# Altium PCB EPS.PcbDoc (part 2 of 11)
Units mm, origin at the board's own origin, x right, y up, seen from the top; angles counter-clockwise.
Board outline 90.25 x 93.64 mm, 8 copper layers (Top Layer, PGND, Power, Control Signals 1, Control Signals 2, Signal 1, Signal 2, Bottom Layer), stack 1.637 mm thick; 941 components, 557 nets, 2694 pads, 869 vias.
Unrouted connection lines stored in the file: 2.
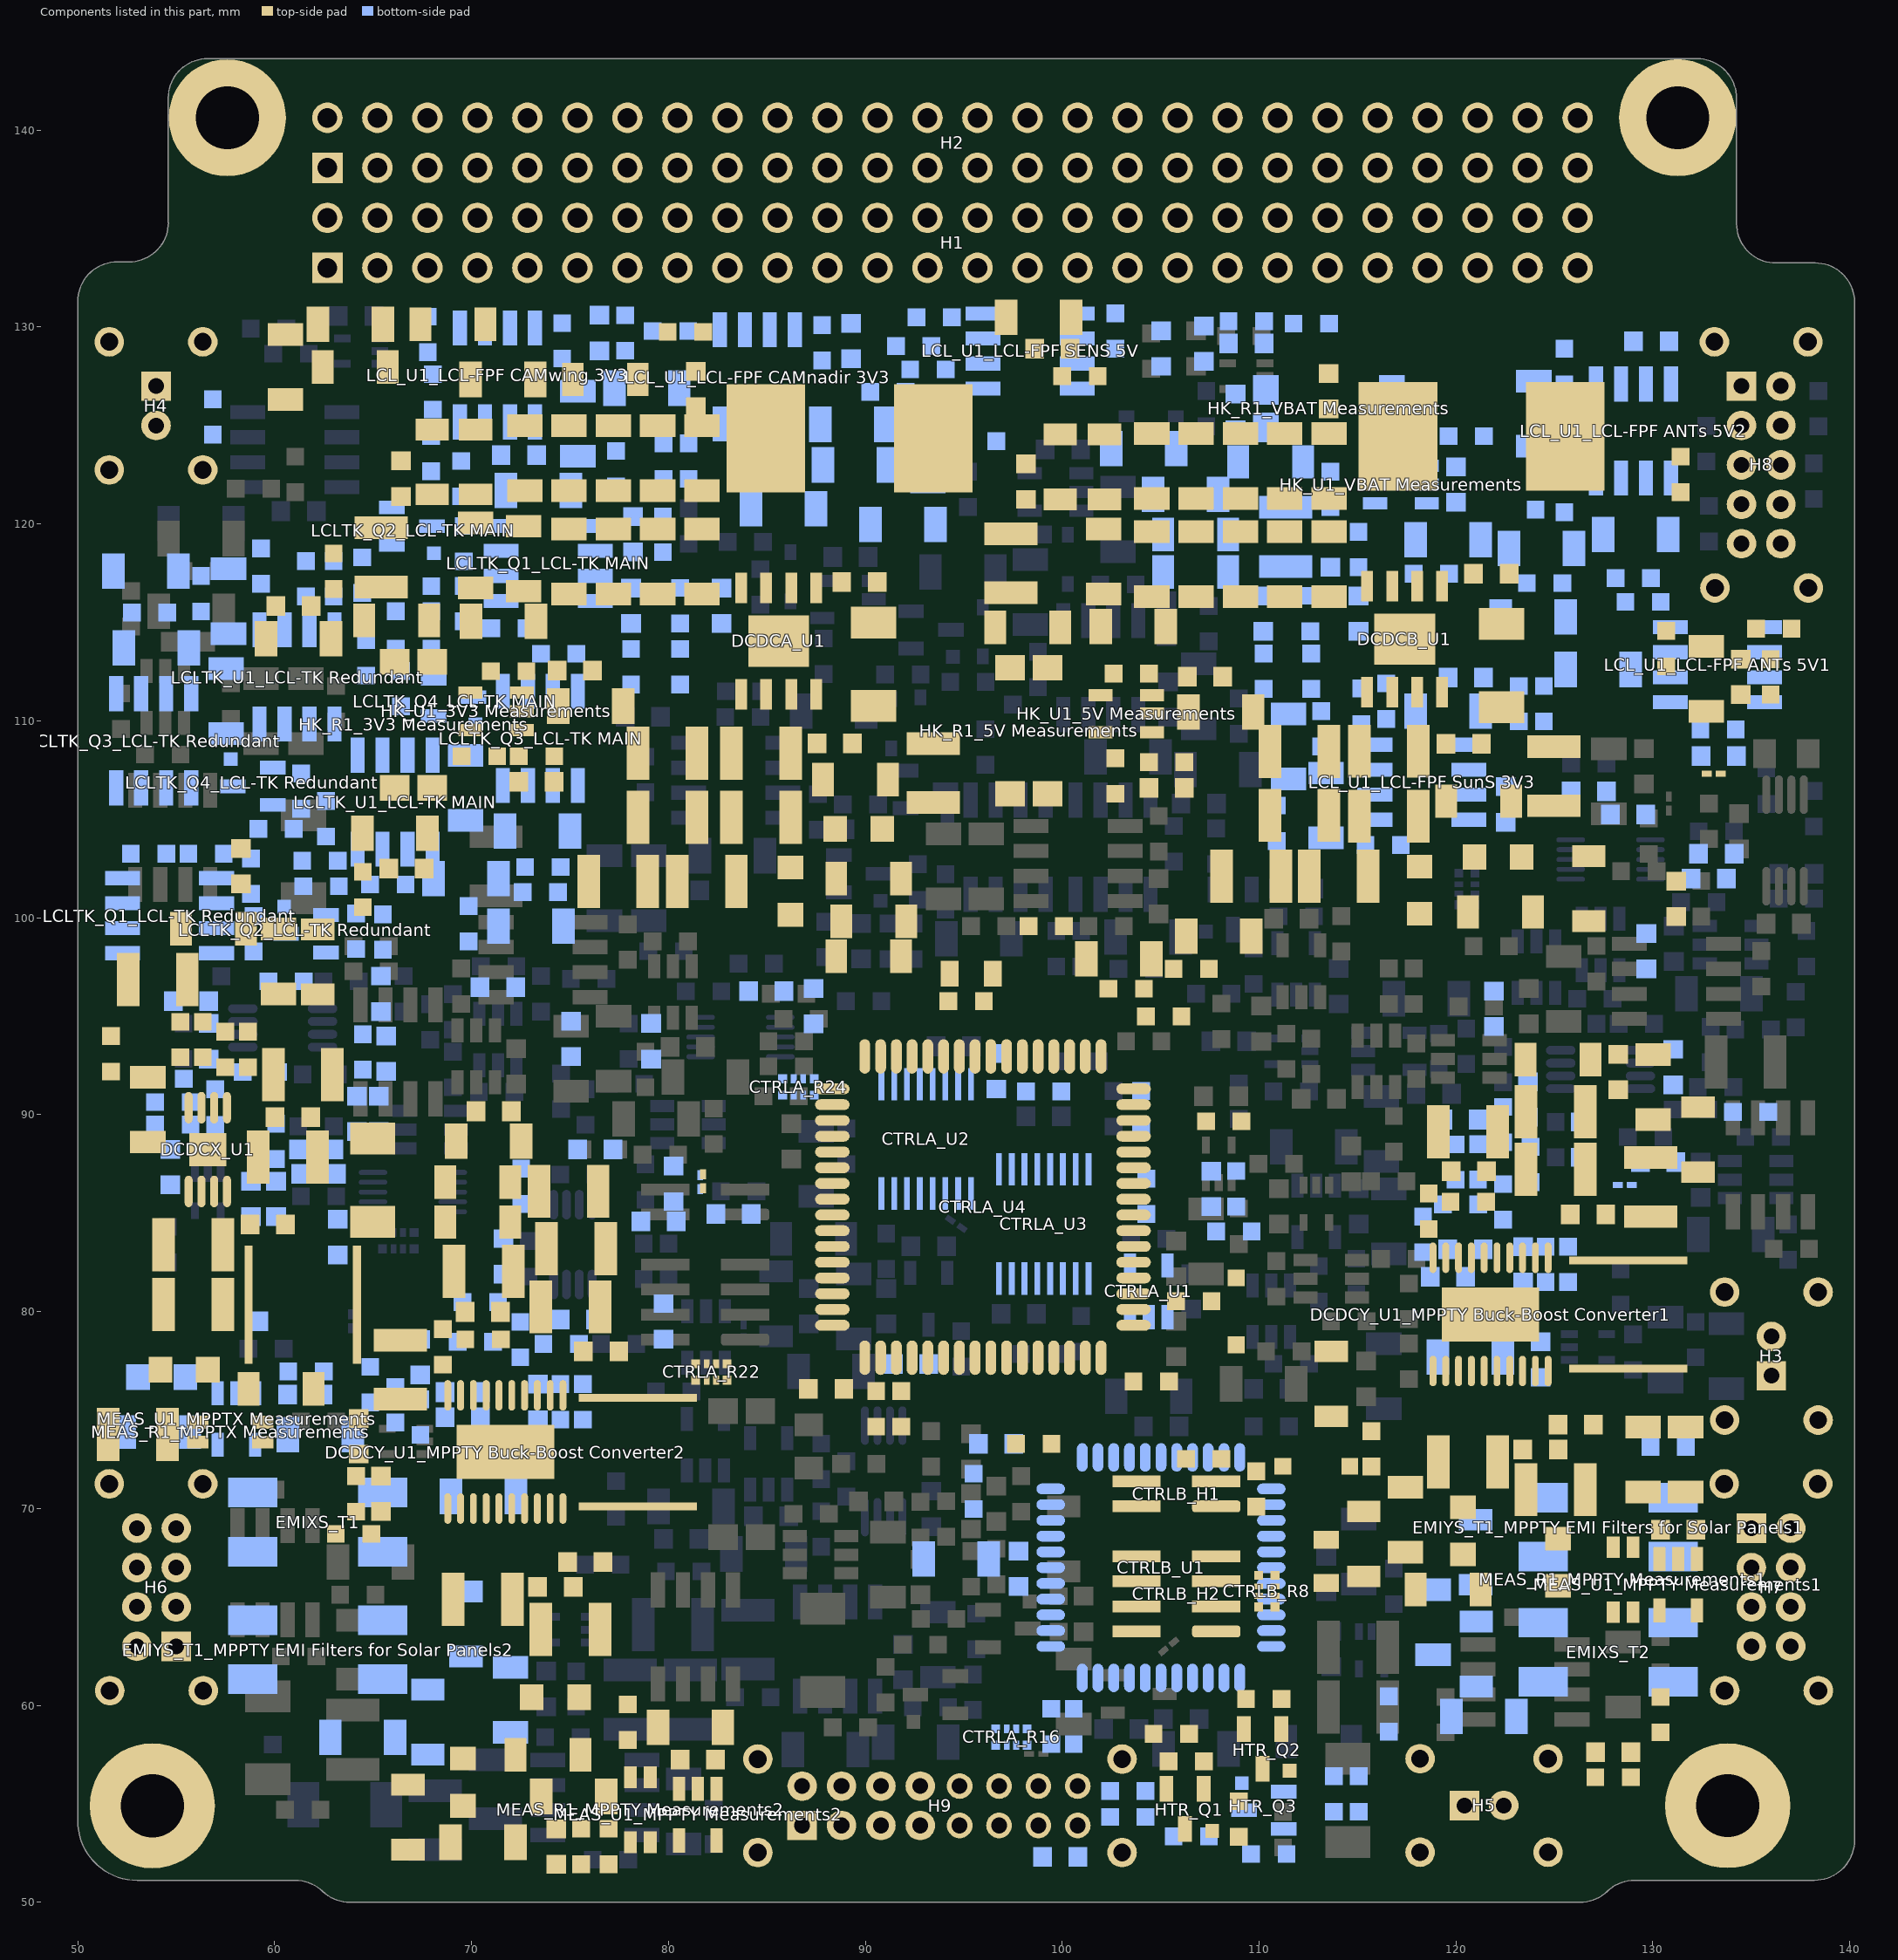
[diagram p8: the components of this part, seen from the top]

## Components (designator, comment, footprint, x,y, rotation, side; value= is the part's Value field where it differs from the comment) (continued)
CTRLA_R15 "10k/1%" SMD_Resistor_0603 99.06,91.186 r0 bottom
CTRLA_R16 "4x51R" SMD_RESISTOR_ARRAY_YC124 98.222,58.801 r180 bottom
CTRLA_R17 "33R" SMD_Resistor_0603 104.267,85.852 r90 bottom
CTRLA_R18 "220R/1%" SMD_Resistor_0603 91.821,75.057 r270 top
CTRLA_R19 "220R/1%" SMD_Resistor_0603 90.551,75.057 r270 top
CTRLA_R20 "330k" SMD_Resistor_0603 95.123,95.758 r180 top
CTRLA_R21 "100R/1%" SMD_Resistor_0603 108.204,89.662 r0 top
CTRLA_R22 "4x10k" SMD_RESISTOR_ARRAY_YC124 81.382,77.343 r0 top
CTRLA_R23 "4.7k/1%" SMD_Resistor_0603 106.68,80.518 r0 top
CTRLA_R24 "4x51R" SMD_RESISTOR_ARRAY_YC124 85.801,90.995 r0 bottom
CTRLA_R25 "33R" SMD_Resistor_0603 104.013,90.297 r90 bottom
CTRLA_U1 "NC7SZ14" SOT23-5 104.394,81.026 r90 bottom
CTRLA_U2 "ADG709" TSSOP16 93.091,88.773 r180 bottom
CTRLA_U3 "ADG709" TSSOP16 99.06,84.455 r0 bottom
CTRLA_U4 "revD, Jun-2011" 64A_N 95.974,85.306 r90 top value=ATmega325PA-AU
CTRLB_C1 "100n/50V" SMD_Capacitor_0603 107.569,86.233 r90 bottom
CTRLB_C2 "10n/50V" SMD_Capacitor_0603 96.647,73.279 r180 bottom
CTRLB_C3 "100n/50V" SMD_Capacitor_0603 97.79,66.929 r90 bottom
CTRLB_C4 "2.2u/50V" SMD_Capacitor_1206 94.615,67.437 r180 bottom
CTRLB_C5 "100n/50V" SMD_Capacitor_0603 99.898,52.299 r180 bottom
CTRLB_H1 "CTRLB_UART" Connfly_DS1031-04-2 107.823,70.105 r90 top locked
CTRLB_H2 "CTRLB_JTAG" Connfly_DS1031-08-2 107.823,63.755 r90 top locked
CTRLB_J1 "2 way net tie junction" 2way_LP 133.096,107.315 r0 top net-tie
CTRLB_R1 "330k" SMD_Resistor_0603 99.441,58.928 r90 bottom
CTRLB_R2 "330k" SMD_Resistor_0603 100.584,58.928 r90 bottom
CTRLB_R3 "10k/1%" SMD_Resistor_0603 108.723,84.074 r180 bottom
CTRLB_R4 "10k/1%" SMD_Resistor_0603 108.839,86.233 r270 bottom
CTRLB_R5 "220R/1%" SMD_Resistor_0603 107.188,72.517 r180 top
CTRLB_R6 "220R/1%" SMD_Resistor_0603 109.855,70.993 r90 top
CTRLB_R7 "4.7k/1%" SMD_Resistor_0603 95.504,70.866 r270 bottom
CTRLB_R8 "4x10k" SMD_RESISTOR_ARRAY_YC124 109.982,65 r90 top
CTRLB_R9 "10k/1%" SMD_Resistor_0603 103.327,54.331 r0 bottom
CTRLB_R10 "100R/1%" SMD_Resistor_0603 116.586,59.563 r270 bottom
CTRLB_R11 "1k/1%" SMD_Resistor_0603 103.327,55.651 r0 bottom
CTRLB_U1 "ATMEGA164PV-10AQ" TQFP-44 105.022,67.002 r270 bottom
DCDCA_C1 "10u/16V" SMD_Capacitor_1206 74.95,118.1 r90 top
DCDCA_C2 "10u/16V" SMD_Capacitor_1206 72.644,118.237 r90 top
DCDCA_C3 "100n/50V" SMD_Capacitor_0603 88.45,108.85 r0 top
DCDCA_C4 "100n/50V" SMD_Capacitor_0603 81.4,126.85 r90 top
DCDCA_C5 "10u/16V" SMD_Capacitor_1206 74.95,123.35 r90 top
DCDCA_C6 "10u/16V" SMD_Capacitor_1206 72.7,123.35 r90 top
DCDCA_C7 "10u/25V" SMD_Capacitor_1210 84.7,105.1 r180 top
DCDCA_C8 "10u/25V" SMD_Capacitor_1210 84.7,108.35 r180 top
DCDCA_C9 "Cap" SMD_Capacitor_0603 89.7,117.05 r180 top value=10n/50V
DCDCA_C10 "10u/16V" SMD_Capacitor_1206 81.7,123.35 r270 top
DCDCA_C11 "10u/16V" SMD_Capacitor_1206 79.45,123.35 r270 top
DCDCA_C12 "10u/16V" SMD_Capacitor_1206 77.2,123.35 r270 top
DCDCA_C13 "10u/25V" SMD_Capacitor_1210 79.95,105.1 r180 top
DCDCA_C14 "10u/25V" SMD_Capacitor_1210 79.95,108.35 r180 top
DCDCA_C15 "10u/16V" SMD_Capacitor_1206 81.7,118.1 r270 top
DCDCA_C16 "10u/16V" SMD_Capacitor_1206 79.45,118.1 r270 top
DCDCA_C17 "10u/16V" SMD_Capacitor_1206 77.2,118.1 r270 top
DCDCA_C18 "Cap" SMD_Capacitor_0603 78.194,119.48 r270 bottom value=1n/50V
DCDCA_C19 "150n/50V" SMD_Capacitor_0603 78.1,115.85 r270 bottom
DCDCA_C20 "Cap" SMD_Capacitor_0603 82.7,115.85 r270 bottom value=100p/50V
DCDCA_D1 "STPS340U" DO-214AA 90.4,112.85 r90 top
DCDCA_L1 "27uH/2.1A" Coilcraft_MSS1260 89.2,124.35 r90 top
DCDCA_R1 "10R" SMD_Resistor_0603 77.343,122.809 r90 bottom
DCDCA_R2 "10k/1%" SMD_Resistor_0603 79.718,119.469 r90 bottom
DCDCA_R3 "4.7k/1%" SMD_Resistor_0603 80.6,115.85 r90 bottom
DCDCA_R4 "1k/1%" SMD_Resistor_0603 80.6,112.75 r90 bottom
DCDCA_R5 "240R/1%" SMD_Resistor_0603 78.1,112.75 r90 bottom
DCDCA_U1 "TPS5430DDA" DDA-9 85.6,114.05 r270 top
DCDCB_C1 "10u/16V" SMD_Capacitor_1206 113.55,117.95 r90 top
DCDCB_C2 "10u/16V" SMD_Capacitor_1206 111.3,117.95 r90 top
DCDCB_C3 "100n/50V" SMD_Capacitor_0603 120.396,108.839 r0 top
DCDCB_C4 "100n/50V" SMD_Capacitor_0603 113.538,126.746 r90 top
DCDCB_C5 "10u/16V" SMD_Capacitor_1206 113.55,122.95 r90 top
DCDCB_C6 "10u/16V" SMD_Capacitor_1206 111.3,122.95 r90 top
DCDCB_C7 "10u/25V" SMD_Capacitor_1210 116.586,105.156 r180 top
DCDCB_C8 "10u/25V" SMD_Capacitor_1210 116.586,108.458 r180 top
DCDCB_C9 "Cap" SMD_Capacitor_0603 121.793,117.475 r180 top value=10n/50V
DCDCB_C10 "10u/16V" SMD_Capacitor_1206 104.55,122.95 r270 top
DCDCB_C11 "10u/16V" SMD_Capacitor_1206 106.8,122.95 r270 top
DCDCB_C13 "10u/16V" SMD_Capacitor_1206 109.05,122.95 r270 top
DCDCB_C14 "10u/25V" SMD_Capacitor_1210 112.05,105.2 r180 top
DCDCB_C15 "10u/25V" SMD_Capacitor_1210 112.05,108.45 r180 top
DCDCB_C16 "10u/16V" SMD_Capacitor_1206 104.55,117.95 r270 top
DCDCB_C17 "10u/16V" SMD_Capacitor_1206 106.8,117.95 r270 top
DCDCB_C18 "10u/16V" SMD_Capacitor_1206 109.05,117.95 r270 top
DCDCB_C19 "Cap" SMD_Capacitor_0603 113.627,118.707 r270 bottom value=1n/50V
DCDCB_C20 "150n/50V" SMD_Capacitor_0603 110.2,115.45 r270 bottom
DCDCB_C21 "Cap" SMD_Capacitor_0603 115.05,115.45 r270 bottom value=100p/50V
DCDCB_D1 "STPS340U" DO-214AA 122.301,112.776 r90 top
DCDCB_L1 "27uH/2.1A" Coilcraft_MSS1260 121.3,124.45 r90 top
DCDCB_R1 "10R" SMD_Resistor_0603 113.627,121.755 r90 bottom
DCDCB_R2 "10k/1%" SMD_Resistor_0603 115.05,118.7 r90 bottom
DCDCB_R3 "2.2k/1%" SMD_Resistor_0603 112.6,115.45 r90 bottom
DCDCB_R4 "1k/1%" SMD_Resistor_0603 112.649,112.522 r90 bottom
DCDCB_R5 "240R/1%" SMD_Resistor_0603 110.236,112.522 r90 bottom
DCDCB_U1 "TPS5430DDA" DDA-9 117.395,114.15 r270 top
DCDCX_C1 "100n/50V" SMD_Capacitor_0603 59.652,84.417 r180 top
DCDCX_C2 "100n/50V" SMD_Capacitor_0603 60.922,89.878 r0 top
DCDCX_C3 "10u/25V" SMD_Capacitor_1210 55.866,83.401 r180 top
DCDCX_C4 "10u/25V" SMD_Capacitor_1210 55.866,80.353 r180 top
DCDCX_C5 "10u/25V" SMD_Capacitor_1210 61.43,92.037 r180 top
DCDCX_C6 "10u/25V" SMD_Capacitor_1210 60.668,87.846 r180 top
DCDCX_C7 "Cap" SMD_Capacitor_0603 60.071,85.725 r90 bottom value=1n/25V
DCDCX_C8 "Cap" SMD_Capacitor_0603 58.801,85.725 r90 bottom value=47p/50V
DCDCX_C9 "1u/25V" SMD_Capacitor_1206 53.556,90.259 r270 top
DCDCX_D1 "STPS340UY" DO-214AA 64.986,86.703 r270 top
DCDCX_L1 "4.7uH/2.3A" Coilcraft_MSS6132 61.43,80.353 r270 top
DCDCX_R1 "4.7k/1%" SMD_Resistor_0603 56.985,90.386 r90 bottom
DCDCX_R2 "10R" SMD_Resistor_0603 59.271,92.164 r0 bottom
DCDCX_R3 "10k/1%" SMD_Resistor_0603 57.493,93.307 r270 top
DCDCX_R5 "390k/1%" SMD_Resistor_0603 54.826,89.497 r180 bottom
DCDCX_R6 "68k/1%" SMD_Resistor_0603 54.826,90.64 r180 bottom
DCDCX_R7 "82k/1%" SMD_Resistor_0603 54.483,91.821 r0 bottom
DCDCX_R8 "NC" SMD_Resistor_0603 58.636,93.307 r90 top
DCDCX_R9 "100k/1%" SMD_Resistor_0603 56.35,93.815 r90 top
DCDCX_R10 "75k/1%" SMD_Resistor_0603 55.207,93.815 r270 top
DCDCX_R11 "27k/1%" SMD_Resistor_0603 60.071,88.646 r90 bottom
DCDCX_U1 "Value" LT-MS8E-8-1880X1680TP_N 56.604,88.227 r90 top
"DCDCY_C1_MPPTY Buck-Boost Converter1" "100n/50V" SMD_Capacitor_0603 126.073,74.257 r0 top (schematic designator DCDCY_C1)
"DCDCY_C1_MPPTY Buck-Boost Converter2" "100n/50V" SMD_Capacitor_0603 75.781,67.272 r0 top (schematic designator DCDCY_C1)
"DCDCY_C2_MPPTY Buck-Boost Converter1" "100n/50V" SMD_Capacitor_0603 126.708,84.925 r0 top (schematic designator DCDCY_C2)
"DCDCY_C2_MPPTY Buck-Boost Converter2" "100n/50V" SMD_Capacitor_0603 76.581,77.978 r0 top (schematic designator DCDCY_C2)
"DCDCY_C3_MPPTY Buck-Boost Converter1" "100n/50V" SMD_Capacitor_0603 124.295,72.998 r180 top (schematic designator DCDCY_C3)
"DCDCY_C3_MPPTY Buck-Boost Converter2" "100n/50V" SMD_Capacitor_0603 74.257,66.013 r180 top (schematic designator DCDCY_C3)
"DCDCY_C4_MPPTY Buck-Boost Converter1" "100n/50V" SMD_Capacitor_0603 120.65,87.122 r0 top (schematic designator DCDCY_C4)
"DCDCY_C4_MPPTY Buck-Boost Converter2" "100n/50V" SMD_Capacitor_0603 70.574,79.983 r0 top (schematic designator DCDCY_C4)
"DCDCY_C5_MPPTY Buck-Boost Converter1" "10u/25V" SMD_Capacitor_1210 125.057,70.955 r0 top (schematic designator DCDCY_C5)
"DCDCY_C5_MPPTY Buck-Boost Converter2" "10u/25V" SMD_Capacitor_1210 75.019,63.854 r0 top (schematic designator DCDCY_C5)
"DCDCY_C6_MPPTY Buck-Boost Converter1" "10u/25V" SMD_Capacitor_1210 120.612,72.363 r180 top (schematic designator DCDCY_C6)
"DCDCY_C6_MPPTY Buck-Boost Converter2" "10u/25V" SMD_Capacitor_1210 70.574,65.378 r180 top (schematic designator DCDCY_C6)
"DCDCY_C7_MPPTY Buck-Boost Converter1" "10u/25V" SMD_Capacitor_1210 120.612,89.127 r180 top (schematic designator DCDCY_C7)
"DCDCY_C7_MPPTY Buck-Boost Converter2" "10u/25V" SMD_Capacitor_1210 70.612,82.042 r180 top (schematic designator DCDCY_C7)
"DCDCY_C8_MPPTY Buck-Boost Converter1" "10u/25V" SMD_Capacitor_1210 125.057,90.143 r0 top (schematic designator DCDCY_C8)
"DCDCY_C8_MPPTY Buck-Boost Converter2" "10u/25V" SMD_Capacitor_1210 75.311,83.185 r0 top (schematic designator DCDCY_C8)
"DCDCY_C9_MPPTY Buck-Boost Converter1" "10u/25V" SMD_Capacitor_1210 125.057,87.222 r0 top (schematic designator DCDCY_C9)
"DCDCY_C9_MPPTY Buck-Boost Converter2" "10u/25V" SMD_Capacitor_1210 75.019,80.237 r0 top (schematic designator DCDCY_C9)
"DCDCY_C10_MPPTY Buck-Boost Converter1" "Cap" SMD_Capacitor_0603 119.596,81.761 r180 bottom value=2.7n/50V (schematic designator DCDCY_C10)
"DCDCY_C10_MPPTY Buck-Boost Converter2" "Cap" SMD_Capacitor_0603 69.558,74.638 r180 bottom value=2.7n/50V (schematic designator DCDCY_C10)
"DCDCY_C11_MPPTY Buck-Boost Converter1" "Cap" SMD_Capacitor_0603 120.231,89.751 r180 bottom value=47p/50V (schematic designator DCDCY_C11)
"DCDCY_C11_MPPTY Buck-Boost Converter2" "Cap" SMD_Capacitor_0603 67.399,77.686 r270 bottom value=47p/50V (schematic designator DCDCY_C11)
"DCDCY_C12_MPPTY Buck-Boost Converter1" "Cap" SMD_Capacitor_0603 120.485,83.158 r180 bottom value=47p/50V (schematic designator DCDCY_C12)
"DCDCY_C12_MPPTY Buck-Boost Converter2" "Cap" SMD_Capacitor_0603 69.558,75.908 r180 bottom value=47p/50V (schematic designator DCDCY_C12)
"DCDCY_C13_MPPTY Buck-Boost Converter1" "Cap" SMD_Capacitor_0603 123.406,82.396 r270 bottom value=2.7n/50V (schematic designator DCDCY_C13)
"DCDCY_C13_MPPTY Buck-Boost Converter2" "Cap" SMD_Capacitor_0603 73.368,75.411 r270 bottom value=2.7n/50V (schematic designator DCDCY_C13)
"DCDCY_C14_MPPTY Buck-Boost Converter1" "10u/16V" SMD_Capacitor_1206 120.739,77.697 r0 bottom (schematic designator DCDCY_C14)
"DCDCY_C14_MPPTY Buck-Boost Converter2" "10u/16V" SMD_Capacitor_1206 70.612,70.612 r0 bottom (schematic designator DCDCY_C14)
"DCDCY_L1_MPPTY Buck-Boost Converter1" "6.8uH/2.1A" Coilcraft_MSS6132 128.74,79.856 r0 top (schematic designator DCDCY_L1)
"DCDCY_L1_MPPTY Buck-Boost Converter2" "6.8uH/2.1A" Coilcraft_MSS6132 78.448,72.86 r0 top (schematic designator DCDCY_L1)
"DCDCY_R1_MPPTY Buck-Boost Converter1" "10R" SMD_Resistor_0603 122.39,89.497 r90 bottom (schematic designator DCDCY_R1)
"DCDCY_R1_MPPTY Buck-Boost Converter2" "10R" SMD_Resistor_0603 70.447,80.48 r180 bottom (schematic designator DCDCY_R1)
"DCDCY_R2_MPPTY Buck-Boost Converter1" "47k/1%" SMD_Resistor_0603 125.692,82.396 r90 bottom (schematic designator DCDCY_R2)
"DCDCY_R2_MPPTY Buck-Boost Converter2" "47k/1%" SMD_Resistor_0603 75.654,75.411 r90 bottom (schematic designator DCDCY_R2)
"DCDCY_R3_MPPTY Buck-Boost Converter1" "1M/1%" SMD_Resistor_0603 121.12,87.603 r270 bottom (schematic designator DCDCY_R3)
"DCDCY_R3_MPPTY Buck-Boost Converter2" "1M/1%" SMD_Resistor_0603 64.859,76.289 r270 bottom (schematic designator DCDCY_R3)
"DCDCY_R4_MPPTY Buck-Boost Converter1" "18k/1%" SMD_Resistor_0603 118.326,83.92 r90 bottom (schematic designator DCDCY_R4)
"DCDCY_R4_MPPTY Buck-Boost Converter2" "18k/1%" SMD_Resistor_0603 67.399,74.638 r90 bottom (schematic designator DCDCY_R4)
"DCDCY_R5_MPPTY Buck-Boost Converter1" "22k/1%" SMD_Resistor_0603 119.977,87.592 r270 bottom (schematic designator DCDCY_R5)
"DCDCY_R5_MPPTY Buck-Boost Converter2" "22k/1%" SMD_Resistor_0603 66.129,75.273 r270 bottom (schematic designator DCDCY_R5)
"DCDCY_R6_MPPTY Buck-Boost Converter1" "15k/1%" SMD_Resistor_0603 124.549,82.396 r270 bottom (schematic designator DCDCY_R6)
"DCDCY_R6_MPPTY Buck-Boost Converter2" "15k/1%" SMD_Resistor_0603 74.511,75.411 r270 bottom (schematic designator DCDCY_R6)
"DCDCY_R7_MPPTY Buck-Boost Converter1" "2M/1%" SMD_Resistor_0603 123.787,87.465 r270 bottom (schematic designator DCDCY_R7)
"DCDCY_R7_MPPTY Buck-Boost Converter2" "2M/1%" SMD_Resistor_0603 74.549,78.359 r180 bottom (schematic designator DCDCY_R7)
"DCDCY_R8_MPPTY Buck-Boost Converter1" "240k/1%" SMD_Resistor_0603 120.231,85.444 r0 bottom (schematic designator DCDCY_R8)
"DCDCY_R8_MPPTY Buck-Boost Converter2" "240k/1%" SMD_Resistor_0603 70.193,78.459 r0 bottom (schematic designator DCDCY_R8)
"DCDCY_R9_MPPTY Buck-Boost Converter1" "470k/1%" SMD_Resistor_0603 122.39,85.571 r270 bottom (schematic designator DCDCY_R9)
"DCDCY_R9_MPPTY Buck-Boost Converter2" "470k/1%" SMD_Resistor_0603 72.479,78.575 r270 bottom (schematic designator DCDCY_R9)
"DCDCY_R10_MPPTY Buck-Boost Converter1" "47k/1%" SMD_Resistor_0603 118.618,85.09 r90 top (schematic designator DCDCY_R10)
"DCDCY_R10_MPPTY Buck-Boost Converter2" "47k/1%" SMD_Resistor_0603 68.542,78.205 r90 top (schematic designator DCDCY_R10)
"DCDCY_R11_MPPTY Buck-Boost Converter1" "18k/1%" SMD_Resistor_0603 120.623,85.571 r0 top (schematic designator DCDCY_R11)
"DCDCY_R11_MPPTY Buck-Boost Converter2" "18k/1%" SMD_Resistor_0603 70.585,78.586 r0 top (schematic designator DCDCY_R11)
"DCDCY_U1_MPPTY Buck-Boost Converter1" "LTC3115HFE-1#PBF" LT-FE-20-EPV-CA_N 121.755,79.856 r270 top (schematic designator DCDCY_U1)
"DCDCY_U1_MPPTY Buck-Boost Converter2" "LTC3115HFE-1#PBF" LT-FE-20-EPV-CA_N 71.717,72.871 r270 top (schematic designator DCDCY_U1)
DISTR_R1 "560k/1%" SMD_Resistor_0603 113.157,109.601 r270 bottom
DISTR_R2 "560k/1%" SMD_Resistor_0603 80.861,129.756 r0 top
DISTR_R3 "560k/1%" SMD_Resistor_0603 68.034,126.708 r270 bottom
DISTR_R4 "560k/1%" SMD_Resistor_0603 93.18,127.851 r0 bottom
DISTR_R5 "220k/1%" SMD_Resistor_0603 129,117.25 r0 bottom
DISTR_R6 "220k/1%" SMD_Resistor_0603 129.502,116.04 r0 bottom
DISTR_R7 "560k/1%" SMD_Resistor_0603 56.858,125.438 r270 bottom
DISTR_R8 "270k/1%" SMD_Resistor_0603 99.187,99.568 r0 top
EMIAA_C1 "10u/25V" SMD_Capacitor_1210 81.95,101.85 r180 top
EMIAA_C2 "10u/25V" SMD_Capacitor_1210 77.45,101.85 r180 top
EMIAA_C3 "10u/25V" SMD_Capacitor_1210 93.45,107.35 r90 top
EMIAA_L1 "0.56uH/5.5A" Vishay_IHLP1212 89.662,104.521 r0 top
EMIAA_L2 "1uH/5A" Vishay_IHLP1212 86.2,101.35 r270 top
EMIAA_R1 "0.22R/1%" SMD_Resistor_1206 90.17,101.981 r0 top
EMIAA_R2 "1R/1%" SMD_Resistor_1206 89.497,107.023 r180 top
EMIAB_C1 "10u/16V" SMD_Capacitor_1206 70.2,118.4 r270 top
EMIAB_C2 "100n/50V" SMD_Capacitor_0603 66.421,122.301 r90 top
EMIAB_C3 "10u/16V" SMD_Capacitor_1206 71.628,115.062 r0 top
EMIAB_C4 "10u/25V" SMD_Capacitor_1210 65.4,118.3 r90 top
EMIAB_FB1 "120R/100MHz" SMD_FerriteBead_1206 70.2,123.15 r90 top
EMIAB_FB2 "120R/100MHz" SMD_FerriteBead_1206 68,123.15 r90 top
EMIAB_R1 "1R/1%" SMD_Resistor_1206 66.2,115.1 r180 top
EMIBA_C1 "10u/25V" SMD_Capacitor_1210 114.046,102.108 r180 top
EMIBA_C2 "10u/25V" SMD_Capacitor_1210 109.601,102.108 r180 top
EMIBA_C3 "10u/25V" SMD_Capacitor_1210 124.968,107.188 r90 top
EMIBA_L1 "0.56uH/5.5A" Vishay_IHLP1212 122.136,103.086 r0 top
EMIBA_L2 "1uH/5A" Vishay_IHLP1212 118.15,101.4 r270 top
EMIBA_R1 "0.22R/1%" SMD_Resistor_1206 122.263,100.292 r0 top
EMIBA_R2 "1R/1%" SMD_Resistor_1206 121.158,105.918 r180 top
EMIBB_C1 "10u/16V" SMD_Capacitor_1206 102.1,118.1 r270 top
EMIBB_C2 "100n/50V" SMD_Capacitor_0603 98.15,122.15 r90 top
EMIBB_C3 "10u/16V" SMD_Capacitor_1206 103.6,114.8 r0 top
EMIBB_C4 "10u/25V" SMD_Capacitor_1210 97.4,118 r90 top
EMIBB_FB1 "120R/100MHz" SMD_FerriteBead_1206 102.15,122.9 r90 top
EMIBB_FB2 "120R/100MHz" SMD_FerriteBead_1206 99.9,122.9 r90 top
EMIBB_R1 "1R/1%" SMD_Resistor_1206 98.25,114.75 r180 top
EMIVBAT_C1 "100n/50V" SMD_Capacitor_0603 108.801,125.692 r90 bottom
EMIVBAT_C2 "2.2u/50V" SMD_Capacitor_1206 106.26,121.501 r180 bottom
EMIVBAT_C3 "100n/50V" SMD_Capacitor_0603 107.188,129.159 r90 bottom
EMIVBAT_C4 "2.2u/50V" SMD_Capacitor_1206 104.14,123.825 r180 bottom
EMIVBAT_C5 "10u/25V" SMD_Capacitor_1210 111.341,119.342 r270 bottom
EMIVBAT_FB1 "120R/100MHz" SMD_FerriteBead_1206 106.769,119.469 r180 bottom
EMIVBAT_FB2 "120R/100MHz" SMD_FerriteBead_1206 106.769,117.564 r180 bottom
EMIVBAT_R1 "1R/1%" SMD_Resistor_1206 110.579,123.152 r0 bottom
EMIXI_C1 "10u/25V" SMD_Capacitor_1210 53.048,73.749 r180 top
EMIXI_C2 "10u/25V" SMD_Capacitor_1210 66.383,77.051 r90 top
EMIXI_L1 "0.56uH/5.5A" Vishay_IHLP1212 54.261,76.67 r180 bottom
EMIXI_L2 "1uH/5A" Vishay_IHLP1212 55.404,77.051 r180 top
EMIXI_R1 "0.22R/1%" SMD_Resistor_1206 54.064,73.876 r180 bottom
EMIXI_R2 "0.33R/1%" SMD_Resistor_1206 60.325,76.073 r180 top
EMIXO_C1 "100n/50V" SMD_Capacitor_0603 58.293,102.616 r90 top
EMIXO_C2 "2.2u/50V" SMD_Capacitor_1206 60.198,97.79 r270 top
EMIXO_C3 "10u/25V" SMD_Capacitor_1210 54.064,96.863 r180 top
EMIXO_FB1 "120R/100MHz" SMD_FerriteBead_1206 62.192,97.752 r270 top
EMIXO_R1 "0.47R/1%" SMD_Resistor_1206 56.896,99.441 r0 top
EMIXS_C1 "1u/25V" SMD_Capacitor_1206 63.843,130.137 r180 top
EMIXS_C2 "1u/25V" SMD_Capacitor_1206 71.971,60.287 r270 bottom
EMIXS_C3 "1u/25V" SMD_Capacitor_1206 121.412,59.436 r0 bottom
EMIXS_FB1 "120R/100MHz" SMD_FerriteBead_1206 69.05,130.137 r0 top
EMIXS_FB2 "120R/100MHz" SMD_FerriteBead_1206 69.723,64.135 r90 bottom
EMIXS_FB3 "120R/100MHz" SMD_FerriteBead_1206 121.031,62.611 r90 bottom
EMIXS_T1 "2x10mR/5A" TDK_ACM7060 62.192,69.304 r0 bottom
EMIXS_T2 "2x10mR/5A" TDK_ACM7060 127.724,62.7 r180 bottom
"EMIYI_C1_MPPTY Input EMI Filter1" "10u/16V" SMD_Capacitor_1206 129.502,72.479 r90 top (schematic designator EMIYI_C1)
"EMIYI_C1_MPPTY Input EMI Filter2" "10u/16V" SMD_Capacitor_1206 75.184,55.372 r180 top (schematic designator EMIYI_C1)
"EMIYI_C2_MPPTY Input EMI Filter1" "10u/16V" SMD_Capacitor_1206 117.437,69.431 r90 top (schematic designator EMIYI_C2)
"EMIYI_C2_MPPTY Input EMI Filter2" "10u/16V" SMD_Capacitor_1206 70.574,53.048 r0 top (schematic designator EMIYI_C2)
"EMIYI_L1_MPPTY Input EMI Filter1" "0.56uH/5.5A" Vishay_IHLP1212 120.358,68.866 r270 top (schematic designator EMIYI_L1)
"EMIYI_L1_MPPTY Input EMI Filter2" "0.56uH/5.5A" Vishay_IHLP1212 69.558,56.096 r90 top (schematic designator EMIYI_L1)
"EMIYI_L2_MPPTY Input EMI Filter1" "1uH/5A" Vishay_IHLP1212 125.184,67.272 r270 top (schematic designator EMIYI_L2)
"EMIYI_L2_MPPTY Input EMI Filter2" "1uH/5A" Vishay_IHLP1212 74.257,60.414 r0 top (schematic designator EMIYI_L2)
"EMIYI_R1_MPPTY Input EMI Filter1" "0.22R/1%" SMD_Resistor_1206 119.596,65.875 r180 top (schematic designator EMIYI_R1)
"EMIYI_R1_MPPTY Input EMI Filter2" "0.22R/1%" SMD_Resistor_1206 73.876,57.493 r180 top (schematic designator EMIYI_R1)
"EMIYI_R2_MPPTY Input EMI Filter1" "0.33R/1%" SMD_Resistor_1206 115.316,68.199 r90 top (schematic designator EMIYI_R2)
"EMIYI_R2_MPPTY Input EMI Filter2" "0.33R/1%" SMD_Resistor_1206 66.764,54.318 r90 top (schematic designator EMIYI_R2)
"EMIYO_C1_MPPTY Output EMI Filter1" "100n/50V" SMD_Capacitor_0603 128.232,92.164 r270 top (schematic designator EMIYO_C1)
"EMIYO_C1_MPPTY Output EMI Filter2" "100n/50V" SMD_Capacitor_0603 71.12,90.17 r0 top (schematic designator EMIYO_C1)
"EMIYO_C2_MPPTY Output EMI Filter1" "10u/16V" SMD_Capacitor_1206 130.01,91.402 r270 top (schematic designator EMIYO_C2)
"EMIYO_C2_MPPTY Output EMI Filter2" "10u/16V" SMD_Capacitor_1206 70.866,88.646 r0 top (schematic designator EMIYO_C2)
"EMIYO_C3_MPPTY Output EMI Filter1" "10u/25V" SMD_Capacitor_1210 129.883,86.322 r270 top (schematic designator EMIYO_C3)
"EMIYO_C3_MPPTY Output EMI Filter2" "10u/25V" SMD_Capacitor_1210 74.93,86.106 r0 top (schematic designator EMIYO_C3)
"EMIYO_FB1_MPPTY Output EMI Filter1" "120R/100MHz" SMD_FerriteBead_1206 125.184,92.799 r180 top (schematic designator EMIYO_FB1)
"EMIYO_FB1_MPPTY Output EMI Filter2" "120R/100MHz" SMD_FerriteBead_1206 70.321,84.544 r0 top (schematic designator EMIYO_FB1)
"EMIYO_R1_MPPTY Output EMI Filter1" "0.47R/1%" SMD_Resistor_1206 132.296,88.735 r90 top (schematic designator EMIYO_R1)
"EMIYO_R1_MPPTY Output EMI Filter2" "0.47R/1%" SMD_Resistor_1206 70.32,86.576 r180 top (schematic designator EMIYO_R1)